# Altium PCB GameBoard_V1I1.PcbDoc (part 22 of 22)
Units mil, origin at the board's own origin, x right, y up, seen from the top; angles counter-clockwise.
Board outline 7165.35 x 2814.96 mil, 12 copper layers (L1, L2, L3, L4, L5 (PWR), L6 (PWR), L7 (PWR), L8 (PWR), L9, L10, L11, L12), stack 61.575 mil thick; 1551 components, 1072 nets, 5467 pads, 3785 vias.
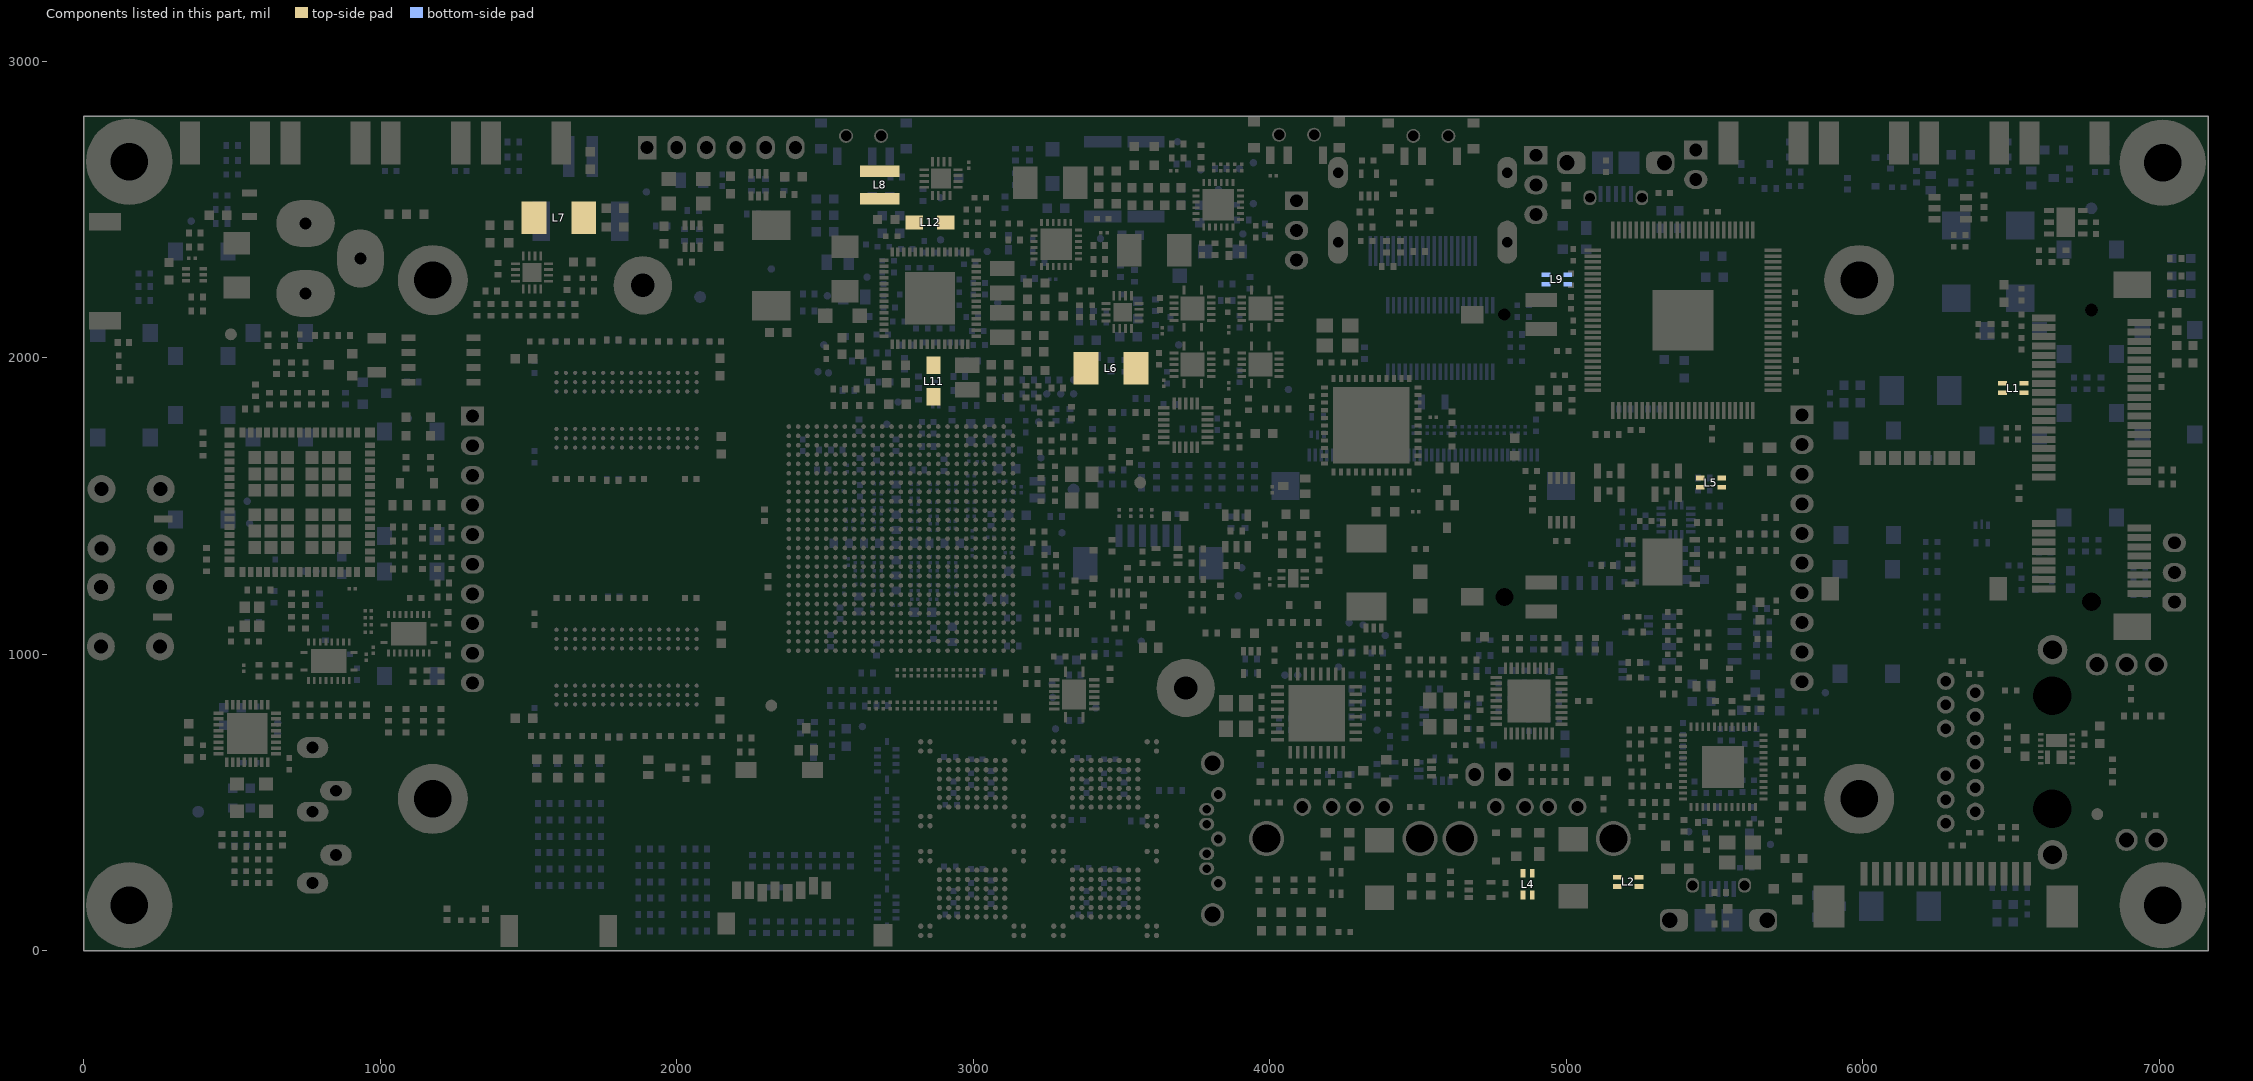
[diagram p32: the components of this part, seen from the top]

## Polygon pours and split planes (outlines as drawn) (continued)
+VIN_4V2 on L12 "L10" (solid, remove dead copper, pour order 656): 27 vertices, not listed, extent 2755.91,2202.76 2895.67,2364.17
GND on L12 "L10" (solid, remove dead copper, pour order 654): 46 vertices, not listed, extent 2687.01,2112.2 2986.22,2364.17
+3V3 on L12 "L10" (solid, remove dead copper, pour order 652): 3137.8,1322.83 3127.95,1332.68 3021.65,1332.68 3007.87,1346.46 2976.38,1346.46 2972.44,1346.46 2968.5,1350.39 2952.76,1350.39 2948.82,1346.46 2933.07,1346.46 2933.07,1255.91 3137.8,1255.91
+SATA_VPH on L12 "L10" (solid, remove dead copper, pour order 650): 2948.82,1452.76 3074.8,1452.76 3074.8,1421.34 2972.44,1421.26 2948.82,1421.26
GND on L12 "L10" (solid, remove dead copper, pour order 644): 3165.35,1610.24 3129.92,1610.24 3129.92,1637.8 3118.11,1649.61 3114.17,1653.54 3114.17,1661.42 3118.11,1665.35 3153.54,1665.35 3165.35,1653.54 3165.35,1645.67 3165.35,1610.24
+1V375_CORE on L12 "Power plane" (solid, pour order 642): 21 vertices, not listed, extent 2637.8,1507.87 2842.52,1535.43
GND on L12 "Power plane" (solid, pour order 506): 23 vertices, not listed, extent 2767.72,1476.38 2885.83,1539.37
+1V2_VDD_ARM_CAP on L12 "Power plane" (solid, pour order 502): 26 vertices, not listed, extent 2681.1,1456.69 2905.51,1486.22
GND on L12 "Power plane" (solid, pour order 500): 21 vertices, not listed, extent 2799.21,1401.57 2925.2,1456.69
GND on L12 "Power plane" (solid, pour order 498): 27 vertices, not listed, extent 2669.29,1354.33 2814.96,1440.94
GND on L12 "Power plane" (solid, pour order 496): 2708.66,1437.01 2653.54,1437.01 2618.11,1437.01 2618.11,1440.94 2618.11,1476.38 2641.73,1476.38 2673.23,1476.38 2673.23,1460.63 2681.1,1452.76 2692.91,1452.76 2700.79,1452.76 2708.66,1444.88
+1V1_VDDSOC_CAP on L12 "Power plane" (solid, pour order 494): 19 vertices, not listed, extent 2618.11,1322.83 2673.23,1429.13
+1V375_CORE on L12 "Power plane" (solid, pour order 492): 23 vertices, not listed, extent 2763.78,1322.83 2925.2,1389.76
+1V2_VDD_ARM_CAP on L12 "Power plane" (solid, pour order 490): 2905.51,1405.51 2905.51,1401.57 2901.57,1397.64 2897.64,1397.64 2874.02,1397.64 2870.08,1393.7 2870.08,1358.27 2862.2,1358.27 2838.58,1358.27 2838.58,1389.76 2830.71,1397.64 2830.71,1409.45 2834.65,1413.39 2846.46,1425.2 2885.83,1425.2
GND on L12 "Power plane" (solid, pour order 488): 31 vertices, not listed, extent 2763.78,1275.59 2964.57,1318.9
GND on L12 "Power plane" (solid, pour order 486): 17 vertices, not listed, extent 2543.31,1295.28 2712.6,1318.9
+1V375_SOC on L12 "Power plane" (solid, pour order 484): 45 vertices, not listed, extent 2618.11,1248.03 2929.13,1307.09
+VDDPU on L12 "Power plane" (solid, pour order 482): 30 vertices, not listed, extent 2724.41,1220.47 2925.2,1275.59
GND on L12 "Power plane" (solid, pour order 480): 49 vertices, not listed, extent 2724.41,972.44 2968.51,1228.35
GND on L12 "Power plane" (solid, pour order 478): 22 vertices, not listed, extent 2515.75,1358.27 2578.74,1496.06
GND on L12 "L10" (solid, remove dead copper, pour order 476): 2940.94,1389.76 2940.94,1358.27 2980.31,1358.27 2992.13,1346.46 3003.94,1346.46 3003.94,1401.57 2988.19,1401.57 2984.25,1401.57 2972.44,1389.76 2940.94,1389.76
GND on L12 "L10" (solid, remove dead copper, pour order 474): 18 vertices, not listed, extent 2596.46,1074.8 2665.35,1192.91
+1V5_DDR on L12 "L10" (solid, remove dead copper, pour order 472): 21 vertices, not listed, extent 2598.43,1181.1 2714.57,1242.13
GND on L12 "L10" (solid, remove dead copper, pour order 470): 27 vertices, not listed, extent 2555.12,1200.79 2712.6,1267.72
+1V5_DDR on L12 "L10" (solid, remove dead copper, pour order 468): 2568.9,1220.47 2588.58,1240.16 2588.58,1255.91 2588.58,1267.72 2596.46,1275.59 2608.27,1275.59 2608.27,1289.37 2580.71,1289.37 2574.8,1283.46 2562.99,1271.65 2562.99,1251.97 2562.99,1240.16 2557.09,1234.25 2557.09,1220.47
+1V5_DDR on L12 "L10" (solid, remove dead copper, pour order 466): 28 vertices, not listed, extent 2555.12,1314.96 2610.24,1559.06
GND on L12 "Power plane" (solid, pour order 464): 46 vertices, not listed, extent 2637.8,1527.56 2925.2,1622.05
GND on L12 "L10" (solid, remove dead copper, pour order 462): 22 vertices, not listed, extent 2933.07,1480.31 2988.19,1559.06
GND on L12 "L10" (solid, remove dead copper, pour order 460): 3031.5,1562.99 3031.5,1598.42 3019.68,1610.24 2996.06,1610.24 2996.06,1566.93 3011.81,1566.93 3019.68,1559.06 3027.56,1559.06
+VIN_5V on L5 (PWR) "L5 (PWR)-+VIN_5V" (solid, remove dead copper, pour order 930): 3015.75,2740.31 3015.75,78.74 7086.61,78.74 7086.61,2728.72
+3V3_ETH_AVDDH on L5 (PWR) "L5 (PWR)-+3V3_ETH_AVDDH" (solid, remove dead copper, pour order 928): 5968.64,393.7 5574.8,393.7 5507.87,460.63 5507.87,921.26 5787.4,921.26 5838.58,870.08 5989.27,721.57 5980.31,712.61 5980.31,393.7
+MPCIE_SIM_PWR on L5 (PWR) "L5 (PWR)-+MPCIE_SIM_PWR" (solid, remove dead copper, pour order 926): 6559.06,1220.47 6586.61,1248.03 6586.61,1653.54 6582.68,1649.61 6106.3,1649.61
+3V0_VSNVS on L5 (PWR) "L5 (PWR)-+3V0_VSNVS" (solid, remove dead copper, pour order 516): 33 vertices, not listed, extent 2484.25,1901.57 5653.54,2496.06
+3V3_LDO on L5 (PWR) "L5 (PWR)-+3V3_LDO" (solid, remove dead copper, pour order 924): 21 vertices, not listed, extent 2732.28,2035.43 3862.2,2425.2
+1V2_PMIC on L5 (PWR) "L5 (PWR)-+1V2_PMIC" (solid, remove dead copper, pour order 922): 34 vertices, not listed, extent 2921.26,514.76 6877.95,2138.86
+1V375_CORE on L5 (PWR) "L5 (PWR)-+1V375_CORE" (solid, remove dead copper, pour order 920): 3578.74,2035.43 3576.81,2033.5 3486,2033.5 3486,1954.94 3492.13,1948.82 3472.44,1929.13 3437.01,1901.57 3547.24,1791.34 5492.13,1791.34 6397.64,885.83 6551.18,885.83 6551.18,1208.66 5850.39,1909.45 4822.83,1909.45 4696.85,2035.43
no net on L5 (PWR) "L5 (PWR)-No Net 1" (solid, remove dead copper, pour order 918): 3444.75,1882.87
+5V_HDMI_CON on L5 (PWR) "L5 (PWR)-+5V_HDMI_CON" (solid, remove dead copper, pour order 916): 4830.71,2259.84 4775.59,2259.84 4716.54,2318.9 4362.2,2318.9 4318.9,2275.59 4318.9,2173.23 4830.71,2173.23
+PWRON_1V375_OPT on L5 (PWR) "L5 (PWR)-+PWRON_1V375_OPT" (solid, remove dead copper, pour order 914): 3488.19,1952.76 3488.19,2033.5 3407.28,2033.5 3334.65,2106.3 3027.56,2106.3 3027.56,2059.06 3062.99,2023.62 3311.02,2023.62 3425.2,1909.45 3444.88,1909.45
no net on L5 (PWR) "L5 (PWR)-No Net 2" (solid, remove dead copper, pour order 912): 2976.38,2133.86
+5V_USB_BOT on L5 (PWR) "L5 (PWR)-+5V_USB_BOT" (solid, remove dead copper, pour order 910): 22 vertices, not listed, extent 4263.78,313 5159.45,1279.53
+5V_USB_TOP on L5 (PWR) "L5 (PWR)-+5V_USB_TOP" (solid, remove dead copper, pour order 908): 4570.87,437.01 4913.39,437.01 4929.13,421.26 5067.94,421.26 5125.98,479.3 5125.98,559.06 5098.43,586.61 5098.43,712.6 5161.42,775.59 5161.42,1078.74 5027.56,1212.6 4811.02,1212.6 4570.87,972.44
no net on L5 (PWR) "L5 (PWR)-No Net 3" (solid, remove dead copper, pour order 906): 5133.86,437.01
+VCC_CAN on L5 (PWR) "L5 (PWR)-+VCC_CAN" (solid, remove dead copper, pour order 904): 5279.53,1027.56 5279.53,1208.66 5374.02,1114.17 5374.02,905.51 5346.46,877.95 5271.65,877.95 5255.91,893.7 5255.91,1003.94
+3V3_USB_HUB on L5 (PWR) "L5 (PWR)-+3V3_USB_HUB" (solid, remove dead copper, pour order 902): 5068.31,1082.68 5095.87,1055.12 5095.87,832.09 4948.82,685.04 4828.86,685.04 4677.17,787.63 4677.17,919.17 4666.73,929.61 4666.73,959.36 4688.44,981.07 4768.55,981.07 4884.04,1082.68
+3V3_MCU on L5 (PWR) "L5 (PWR)-+3V3_MCU" (solid, remove dead copper, pour order 900): 3972.44,1082.68 4138.78,1082.68 4374.02,847.44 4374.02,649.61 4208.66,484.25 3964.57,484.25 3933.07,515.75 3933.07,1039.37 3964.57,1070.87
+3V3_WIFI on L5 (PWR) "L5 (PWR)-+3V3_WIFI" (solid, remove dead copper, pour order 898): 78.42,78.74 1311.02,78.74 1311.02,2736.22 78.96,2736.22
+BAT on L5 (PWR) "L5 (PWR)-+BAT" (solid, remove dead copper, pour order 896): 3074.8,2614.17 3073.61,2612.98 3027.33,2612.98 3027.33,2503.94 2740.16,2503.94 2720.83,2483.89 2476.08,2244.09 1240.16,2244.09 1240.16,2736.22 3976.38,2736.22 3976.38,2732.28 3976.38,2583.52 3524.46,2583.52 3337.74,2583.52 3307.09,2614.17
+2V5 on L5 (PWR) "L5 (PWR)-+2V5" (solid, pour order 828): 65 vertices, not listed, extent 2568.97,912.4 5519.69,2366.14
+VDDUSB on L5 (PWR) "L5 (PWR)-+VDDUSB" (solid, pour order 740): 2992.13,1548.23 3050.2,1606.3 3086.61,1606.3 3137.8,1555.12 3137.8,1496.06 3129.92,1488.19 3129.92,1484.25 3106.3,1484.25 3090.55,1500 3077.76,1512.8 2980.31,1512.8 2980.31,1545.28
+PCIE_VPTX on L5 (PWR) "L5 (PWR)-+PCIE_VPTX" (solid, pour order 758): 3091.54,1654.53 3090.55,1653.54 3090.55,1613.14 3050.15,1613.14 2976.38,1539.37 2956.69,1539.37 2956.69,1543.31 2940.94,1559.06 2938.98,1565.78 3003.94,1630.73 3003.94,1748.03 3019.69,1763.78 3050.2,1763.78 3091.54,1722.44
+2V5_VDDHIGH_VPH on L5 (PWR) "L5 (PWR)-+2V5_VDDHIGH_VPH" (solid, pour order 742): 2988.19,1629.92 3003.94,1645.67 3003.94,1763.78 3003.3,1763.14 2975.74,1763.14 2913.39,1700.79 2866.3,1700.79 2866.3,1645.82 2866.14,1343.69 2940.94,1424.41 2953.97,1437.44 2953.97,1542.09 2940.95,1555.12 2940.94,1574.8 2988.19,1622.05
+NVCC_CSI on L5 (PWR) "L5 (PWR)-+NVCC_CSI" (solid, pour order 744): 22 vertices, not listed, extent 2468.5,1417.32 2791.34,1917.32
+1V1_VDDSOC_CAP on L5 (PWR) "L5 (PWR)-+1V1_VDDSOC_CAP" (solid, pour order 754): 18 vertices, not listed, extent 2578.74,1311.02 2972.44,1844.49
+3V3_FLASH on L5 (PWR) "L5 (PWR)-No Net" (solid, pour order 752): 3529.86,882.2 3529.86,960.63 2732.28,960.63 2724.41,952.76 2728.35,871.43 2728.35,78.74 3618.11,78.74 3618.11,793.95
+DDR_VREF on L5 (PWR) "L5 (PWR)-+DDR_VREF" (solid, pour order 750): 2588.33,790.85 2438.73,790.85 2438.72,630.41 2588.33,630.41
VBUS2 on L8 (PWR) "L8 (PWR)-VBUS2" (solid, remove dead copper, pour order 710): 19 vertices, not listed, extent 3196.85,1948.82 4035.43,2397.64
+1V1_NVCC_PLL_OUT on L8 (PWR) "L8 (PWR)-+1V1_NVCC_PLL_OUT" (solid, remove dead copper, pour order 748): 2972.68,1504.99 3084.55,1504.99 3091.61,1512.05 3086.61,1517.05 3086.61,1612 3066.24,1632.37 3059.86,1625.98 2999.19,1625.98 2972.68,1599.48 2972.68,1558
+3V0_ALWAYS on L8 (PWR) "L8 (PWR)-+3V0_ALWAYS" (solid, remove dead copper, pour order 1358): 1872.56,80.42 78.74,80.42 78.74,1755.91 454.72,1755.91 1346.46,1755.91 1350.39,1751.97 1354.33,1755.91 1354.33,2500 4059.06,2500 4059.06,76.27
+NVCC_ENET on L8 (PWR) "L8 (PWR)-+NVCC_ENET" (solid, remove dead copper, pour order 1014): 3055.12,1023.62 3476.38,1023.62 3476.38,929.55 3381.48,834.65 2842.52,834.65 2606.3,1070.87 2606.3,1218.5 2706.69,1218.5 2795.28,1129.92 2948.82,1129.92 3032.49,1046.25
+NVCC_RGMII on L8 (PWR) "L8 (PWR)-+NVCC_RGMII" (solid, remove dead copper, pour order 892): 19 vertices, not listed, extent 2929.13,1023.62 3500,1244.09
+1V375_CORE on L8 (PWR) "L8 (PWR)-+1V375_CORE" (solid, remove dead copper, pour order 890): 34 vertices, not listed, extent 2551.18,1311.02 3535.43,2122.05
+HDMI_VPH on L8 (PWR) "L8 (PWR)-+HDMI_VPH" (solid, remove dead copper, pour order 888): 2751.97,1677.17 2751.97,1566.93 2842.52,1566.93 2866.14,1590.55 2866.14,1641.73 2858.27,1649.61 2858.27,1677.17 2848.01,1687.43 2762.23,1687.43
+1V1_VDDSOC_CAP on L8 (PWR) "L8 (PWR)-+1V1_VDDSOC_CAP" (solid, remove dead copper, pour order 886): 2854.33,1783.46 2852.98,1784.82 2852.98,1829.36 2876.76,1853.14 2940.94,1853.14 3005.13,1917.32 3035.43,1917.32 3074.8,1916.34 3098.43,1916.34 3110.24,1904.53 3110.24,1841.54 3052.16,1783.46
no net on L8 (PWR) "L8 (PWR)-No Net" (solid, remove dead copper, pour order 884): 2740.16,1566.93 2842.52,1566.93 2874.02,1598.43 2874.02,1669.29 2850.39,1692.91 2783.46,1692.91 2740.16,1649.61
LED_A on L8 (PWR) "L8 (PWR)-LED_A" (solid, remove dead copper, pour order 876): 4610.24,1940.94 4616.61,1934.57 5118.11,1934.57 5118.11,1086.94 5109.91,1078.74 4653.54,1078.74 4448.82,1283.46 4448.82,1496.06 4535.43,1582.68 4535.43,1940.94
+SYS on L8 (PWR) "L8 (PWR)-+SYS" (solid, remove dead copper, pour order 882): 2972.44,2736.22 2972.44,2389.76 3681.1,2389.76 3783.46,2492.13 3783.46,2736.22
BAT1 on L8 (PWR) "L8 (PWR)-BAT1" (solid, remove dead copper, pour order 880): 18 vertices, not listed, extent 3503.86,2388.78 3778.47,2594.2
no net on L8 (PWR) "L8 (PWR)-No Net 1" (solid, remove dead copper, pour order 878): 3507.87,2417.32
+3V3_COMP_IO on L8 (PWR) "L8 (PWR)-+3V3_COMP_IO" (solid, remove dead copper, pour order 874): 5110.24,1937.84 5110.24,1078.74 5409.45,1078.74 5413.39,1074.8 5625.98,1287.4 5625.98,1751.97 5440.94,1937.01 5440.94,1940.94
+BAT on L8 (PWR) "L8 (PWR)-+BAT" (solid, remove dead copper, pour order 872): 40 vertices, not listed, extent 3763.78,82.68 7086.61,2736.22
+3V3_MCU on L8 (PWR) "L8 (PWR)-+3V3_MCU" (solid, remove dead copper, pour order 870): 31 vertices, not listed, extent 4318.9,248.03 6795.28,2586.61
+SYS on L8 (PWR) "L8 (PWR)-+SYS 1" (solid, remove dead copper, pour order 762): 26 vertices, not listed, extent 3930.29,610.24 4661.42,2364.87
+3V3_LDO on L8 (PWR) "L8 (PWR)-+3V3_LDO" (solid, remove dead copper, pour order 746): 3696.85,2047.24 3917.32,2267.72 4122.05,2062.99 4122.05,476.38 4078.74,433.07 3901.57,433.07 3700.79,633.86 3700.79,1035.74 3944.88,1279.84 3944.88,1437.01 3696.85,1685.04
no net on L8 (PWR) "L8 (PWR)-No Net 2" (solid, remove dead copper, pour order 868): 4094.49,2078.74
no net on L8 (PWR) "L8 (PWR)-No Net 3" (solid, remove dead copper, pour order 866): 4082.68,393.7
+VIN_4V2 on L8 (PWR) "L8 (PWR)-+VIN_4V2" (solid, remove dead copper, pour order 854): 70 vertices, not listed, extent 78.74,488.19 6586.61,2735.45
+5V_BARREL on L8 (PWR) "L8 (PWR)-+5V_BARREL" (solid, pour order 852): 1003.94,2015.75 1070.87,2015.75 1098.43,1988.19 1098.43,1846.46 1051.18,1799.21 1019.68,1799.21 1003.94,1814.96 1003.94,1874.02
+VIN_5V on L8 (PWR) "L8 (PWR)-+VIN_5V" (solid, pour order 848): 21 vertices, not listed, extent 2244.58,2342.52 3125.98,2736.22
+0V75_DDR_VTT on L8 (PWR) "L8 (PWR)-+0V75_DDR_VTT" (solid, pour order 832): 3102.69,2196.53 3103.01,2196.85 3204.72,2196.85 3212.6,2188.98 3212.6,2086.61 3224.41,2074.8 3259.84,2039.37 3259.84,2003.94 3232.28,1976.38 3165.35,1976.38 3019.69,2122.05 3019.68,2173.23 3019.68,2180.98 3035.23,2196.53
SYS2 on L8 (PWR) "L8 (PWR)-SYS2" (solid, pour order 830): 7.87,2759.84
+5V on L6 (PWR) "L6 (PWR)-+5V" (solid, remove dead copper, pour order 712): 4554.77,148.77 4588,182 4588,216 4521.22,282.78 4236.78,282.78 4234,280 4236.22,277.78 4236.22,228.35 4314.61,149.96
+MPCIE_SIM_VPP on L6 (PWR) "L6 (PWR)-+MPCIE_SIM_VPP" (solid, remove dead copper, pour order 768): 6555.1,1455.6 6555.12,1507.87 6539.37,1523.62 6488.19,1523.62 6448.82,1484.25 6444.88,1488.19 6098.43,1488.19 6055.12,1531.5 6055.12,1622.05 6071.11,1638.04 6398.07,1638.04 6643.08,1638.04 6643.08,1455.34
+5V_JMP on L6 (PWR) "L6 (PWR)-+5V_JMP" (solid, remove dead copper, pour order 932): 25 vertices, not listed, extent 1299.21,1882.17 4129.38,2555.12
+3V3 on L6 (PWR) "L6 (PWR)-No Net" (solid, pour order 1248): 2221.3,78.74 2240.99,59.06 2590.42,59.06 2610.1,78.74 2620.1,78.74 7086.61,78.74 7086.61,2736.22 78.74,2736.22 78.74,78.74
+VBUS on L7 (PWR) "L7 (PWR)-+VBUS" (solid, remove dead copper, pour order 822): 4151.3,2462.64 4144.45,2469.49 4061.86,2469.49 4025.44,2433.07 4020.34,2433.07 4007.88,2433.07 3925.2,2515.75 3925.2,2736.22 4846.46,2736.22 4846.46,2657.48 4866.14,2637.8 4917.32,2637.8 4940.03,2615.08 4940.03,2523.79 4211.79,2523.77
+5V_JMP on L7 (PWR) "L7 (PWR)-+5V_JMP" (solid, remove dead copper, pour order 824): 4314.98,2523.69 3992.13,2523.61 3992.13,2460.63 4137.8,2314.96 4137.8,2208.66 4976.38,2208.66 4976.38,2521.45 4875.78,2521.45 4686.53,2521.45 4684.29,2523.69
no net on L7 (PWR) "L7 (PWR)-No Net" (solid, pour order 820): 4094.49,2374.02
+USB_CHARGE on L7 (PWR) "L7 (PWR)-+USB_CHARGE" (solid, remove dead copper, pour order 818): 4948.82,2594.49 4948.82,2522.21 4948.82,2397.64 5011.81,2397.64 5113.11,2397.64 5160.35,2444.88 5161.42,2444.88 5161.42,2736.22 4857.28,2736.22 4857.28,2646.65 4896.65,2646.65
+SYS on L7 (PWR) "L7 (PWR)-+SYS" (solid, remove dead copper, pour order 816): 4106.3,2374.02 4133.26,2347.06 4133.85,2334.31 4134.15,2212.6 3976.38,2212.6 3834.65,2354.33 3576.77,2354.33 3415.62,2515.48 3415.62,2647.57 3919.36,2647.57 3925.2,2641.73 3925.2,2516.86 4068.04,2374.02
+PULLUP on L7 (PWR) "L7 (PWR)-+PULLUP" (solid, remove dead copper, pour order 814): 3685.04,2649.61 3665.35,2629.92 3419.23,2629.92 3401.57,2647.57 3401.57,2736.22 3925.2,2736.22 3925.2,2649.61
+1V2_ETH on L7 (PWR) "L7 (PWR)-+1V2_ETH" (solid, remove dead copper, pour order 812): 6685.04,988.19 6685.04,783.46 6854.33,614.17 6854.33,444.88 5807.09,444.88 5805.15,702.73 5624.02,883.86 5624.02,923.23 5622.05,925.2 5685.04,988.19
3V3_OVDD on L7 (PWR) "L7 (PWR)-3V3_OVDD" (solid, remove dead copper, pour order 810): 23 vertices, not listed, extent 4976.38,1574.8 5968.5,2736.22
3V3_DVDD on L7 (PWR) "L7 (PWR)-3V3_DVDD" (solid, remove dead copper, pour order 730): 5327.76,2488.19 5307.09,2508.86 5307.09,2531.5 5318.9,2543.31 5358.27,2543.31 5468.5,2433.07 5468.5,2377.95 5515.75,2330.71 5610.24,2330.71 5807.09,2133.86 5807.09,2110.24 5437.01,1740.16 5275.59,1740.16 5275.59,1805.12 5327.76,1857.28
+1V2_ETH_AVDDL_PLL on L7 (PWR) "L7 (PWR)-+1V2_ETH_AVDDL_PLL" (solid, remove dead copper, pour order 808): 5635.83,845 5701,845 5794,752 5794,336.58 5479.36,336.58 5472.42,343.53 5472.42,433.46 5473.22,433.46 5637.8,598.03 5635.83,600
+2V5_ETH_DVDDH on L7 (PWR) "L7 (PWR)-+2V5_ETH_DVDDH" (solid, remove dead copper, pour order 764): 23 vertices, not listed, extent 5016.68,342.52 5625.98,901.57
+1V2_ETH_DVDDL on L7 (PWR) "L7 (PWR)-+1V2_ETH_DVDDL" (solid, remove dead copper, pour order 806): 20 vertices, not listed, extent 5297.24,440.94 5637.8,795.28
+5V_USB_OTG_Q on L7 (PWR) "L7 (PWR)-+5V_USB_OTG_Q" (solid, remove dead copper, pour order 766): 4893.7,685.04 5014.6,685.04 5016.84,687.28 5018,686.12 5016.37,562.37 5236.22,342.52 5799.21,342.52 5862.2,279.53 5862.2,232.28 5830.71,200.79 4779.53,200.79 4725.39,254.92 4425.2,254.92 4425.2,622.05 4488.19,685.04
+3V3_HDR_J1 on L7 (PWR) "L7 (PWR)-+3V3_HDR_J1" (solid, remove dead copper, pour order 804): 5610.24,1188.98 5700.79,1188.98 5885.83,1374.02 5885.83,1574.8 5610.24,1574.8
LED_K on L7 (PWR) "L7 (PWR)-LED_K" (solid, remove dead copper, pour order 770): 4002.59,1308.44 4000,1305.85 4000,1283.46 4267.72,1283.46 4507.87,1523.62 4826.77,1523.62 4944.88,1641.73 4944.88,1720.47 4440.94,1720.47 4110.24,1389.76 4083.91,1389.76
+3V3_MPCIE on L7 (PWR) "L7 (PWR)-+3V3_MPCIE" (solid, remove dead copper, pour order 802): 26 vertices, not listed, extent 6181.1,1192.91 7086.61,2232.28
+1V5_MPCIE on L7 (PWR) "L7 (PWR)-+1V5_MPCIE" (solid, remove dead copper, pour order 798): 22 vertices, not listed, extent 6272,996.06 6712.6,2094.49
3V3_AVDD on L7 (PWR) "L7 (PWR)-3V3_AVDD" (solid, remove dead copper, pour order 796): 5007.87,1972.44 5259.84,1972.44 5279.53,1952.76 5318.9,1952.76 5318.9,2248.03 4972.44,2248.03 4972.44,2007.87
+3V3_HDR on L7 (PWR) "L7 (PWR)-+3V3_HDR" (solid, remove dead copper, pour order 794): 44 vertices, not listed, extent 925.2,1118.11 5661.42,2740.14
+5V_FTDI on L7 (PWR) "L7 (PWR)-+5V_FTDI" (solid, remove dead copper, pour order 792): 1924.21,2475.39 1947.83,2475.39 2046.26,2573.82 2087.6,2573.82 2490.52,2573.82 2403.69,2484 2153.29,2484 2059.06,2389.76 1893.7,2389.76 1893.7,2444.88
+5V on L7 (PWR) "L7 (PWR)-+5V" (solid, remove dead copper, pour order 790): 90 vertices, not listed, extent 2515.75,255.91 7110.24,2736.22
+SATA_VP on L7 (PWR) "L7 (PWR)-+SATA_VP" (solid, remove dead copper, pour order 774): 19 vertices, not listed, extent 2802,1395.67 3023.62,1866.14
+PCIE_VP on L7 (PWR) "L7 (PWR)-+PCIE_VP" (solid, remove dead copper, pour order 788): 2948.82,1576.5 2948.82,1611.43 3077.55,1740.16 3073.8,1743.9 3073.8,1792.34 3001.97,1864.17 2893.7,1755.91 2893.7,1598.43 2917.32,1574.8 2925.2,1574.8
+PCIE_VPH on L7 (PWR) "L7 (PWR)-+PCIE_VPH" (solid, remove dead copper, pour order 784): 2948.82,1598.43 2948.82,1574.8 2956.69,1566.93 3137.8,1566.93 3137.8,1582.68 3137.8,1716.54 3102.36,1751.97
+1V375_SOC on L7 (PWR) "L7 (PWR)-+1V375_SOC" (solid, remove dead copper, pour order 776): 22 vertices, not listed, extent 2627.1,960.63 3570.87,2102
+1V2_VDD_ARM_CAP on L7 (PWR) "L7 (PWR)-+1V2_VDD_ARM_CAP" (solid, remove dead copper, pour order 782): 2731.3,1518.7 2873.03,1518.7 2883.97,1507.76 2921.26,1470.47 2921.26,1395.67 2700.79,1395.67 2700.79,1488.19
+1V8_AUDIO on L7 (PWR) "L7 (PWR)-+1V8_AUDIO" (solid, pour order 780): 38 vertices, not listed, extent 78.74,480.32 3178,2622.05
+1V8_WIFI on L7 (PWR) "L7 (PWR)-+1V8_WIFI" (solid, pour order 778): 929.13,2740.14 78.74,2740.14 78.74,885.83 929.13,885.83 1216.54,1173.23 1216.54,1350.39 929.13,1625.98 929.13,2181.1
+1V5_DDR on L7 (PWR) "L7 (PWR)-+1V5_DDR" (solid, pour order 826): 53 vertices, not listed, extent 78.74,78.74 7086.61,2536.42
GND on L2 "L2-GND" (solid, pour order 732): 7.87,2807.09 7157.48,2807.09 7157.48,7.87 7.87,7.87
GND on L11 "L11-GND" (solid, remove dead copper, pour order 736): 5.14,2806.27 7154.74,2806.27 7154.74,7.05 5.14,7.05
GND on L4 (split plane): 7161.34,4.01 4.01,4.01 4.01,2810.95 7161.34,2810.95
GND on L9 (split plane): 7161.34,4.01 4.01,4.01 4.01,2810.95 7161.34,2810.95

## Keep-outs
Keep-Out Layer:
  region: 1822.83,-43.31 1822.83,165.35 1391.89,165.35 1391.89,-43.31
  rectangle: -7.87,2073 173.23,2503.94

## Other copper
L1:
  text "(c) 2018" at 1086.61,326.77 h39.37
  text "Matthew Beach" at 988.19,259.84 h39.37
L2:
  pour cut-out: 1374.02,0 1374.02,173.23 1818.9,173.23 1818.9,0

## Silkscreen, mask and mechanical layers (free items; w line width, h text height)
Top Overlay:
  text "+USB" at 4834.65,2740.16 h31.5
  text "ON" at 4358.27,2732.28 h31.5 r90
  text "ON" at 2787.4,2720.47 h31.5 r90
  text "LCD" at 4299.21,2712.6 h31.5 r90
  text "OFF" at 4759.84,2712.6 h31.5 r90
  text "OFF" at 2515.75,2704.72 h31.5 r90
  text "CON" at 3909.45,2704.72 h31.5 r90
  text "SYS" at 2649.61,2700.79 h31.5 r90
  text "HDMI" at 4066.93,2602.36 h31.5
  text "VOLUME" at 1200.79,2578.74 h39.37
  text "RESET" at 5570.87,2578.74 h39.37
  text "HOME" at 5925.2,2578.74 h39.37
  text "LCD  / SCREEN" at 4590.55,2519.68 h31.5
  text "+BRL" at 4846.46,2397.64 h31.5
  text "MCU" at 5078.74,1669.29 h15.75
  text "PCIe" at 5145.67,1669.29 h15.75
  text "HUB" at 5220.47,1669.29 h15.75
  text "LCD" at 5295.28,1669.29 h15.75
  text "HDR" at 5362.2,1669.29 h15.75
Bottom Overlay:
  lines w10: 1472.44,23.62 1629.92,23.62 1629.92,177.17 1472.44,177.17 1472.44,23.62 ; 1645.67,23.62 1645.67,177.17 1803.15,177.17 1803.15,23.62 1645.67,23.62 ; 1811.02,409.45 1811.02,562.99 1968.5,562.99 1968.5,409.45 1811.02,409.45 ; 2003.94,409.45 2161.42,409.45 2161.42,562.99 2003.94,562.99 2003.94,409.45
  text "+BAT" at 3822.83,2736.22 h31.5
  text "+SYS" at 3881.89,2685.04 h31.5
  text "+3V3" at 1988.19,2496.06 h31.5
  text "+3V3_L" at 2984.25,2448.82 h31.5
  text "+3V3" at 3078.74,2393.7 h31.5
  text "+4V2" at 2287.4,2188.98 h31.5
  text "+1V2" at 3240.16,2169.29 h31.5
  text "+0V75" at 3259.84,2098.43 h31.5
  text "+5V" at 2464.57,2027.56 h31.5
  text "+1V375" at 3228.35,1968.5 h31.5
  text "+5V_B" at 1240.16,1842.52 h31.5
  text "+1V375" at 2724.41,1822.83 h31.5
  text "JTAG" at 3342.52,1712.6 h31.5
  text "ON OFF" at 3275.59,1393.7 h31.5
  text "+3V0" at 3980.31,1334.65 h31.5
  text "+2V5" at 3649.61,976.38 h31.5
  text "+1V2" at 6019.69,850.39 h31.5
  text "+1V5" at 2767.72,740.16 h31.5
  text "BOOT" at 1858.27,543.31 h31.5 r90
  text "BOOT" at 2141.73,543.31 h31.5 r90
  text "WIFI" at 1952.76,535.43 h31.5 r90
  text "WIFI" at 2051.18,535.43 h31.5 r90
  text "SD1" at 1905.51,527.56 h31.5 r90
  text "SD2" at 2094.49,527.56 h31.5 r90
  text "BOOT CONFIG" at 2578.74,464.57 h31.5
  text "14" at 2271.65,405.51 h31.5 r90
  text "10" at 2318.9,405.51 h31.5 r90
  text "13" at 2413.39,405.51 h31.5 r90
  text "15" at 2507.87,405.51 h31.5 r90
  text "12" at 2602.36,405.51 h31.5 r90
  text "7" at 2460.63,381.89 h31.5 r90
  text "9" at 2366.14,377.95 h31.5 r90
  text "8" at 2555.12,377.95 h31.5 r90
  text "11" at 2271.65,181.1 h31.5 r90
  text "0" at 2322.83,161.42 h31.5 r90
  text "2" at 2417.32,161.42 h31.5 r90
  text "5" at 2464.57,161.42 h31.5 r90
  text "3" at 2511.81,161.42 h31.5 r90
  text "4" at 2559.06,161.42 h31.5 r90
  text "6" at 2606.3,161.42 h31.5 r90
  text "BOOT" at 1740.16,157.48 h31.5 r90
  text "WIFI" at 1566.93,153.54 h31.5 r90
  text "1" at 2366.14,153.54 h31.5 r90
  text "SD2" at 1519.69,145.67 h31.5 r90
  text "SD2" at 1692.91,145.67 h31.5 r90
  text "SD1" at 1614.17,137.8 h31.5 r90
  text "SD1" at 1787.4,137.8 h31.5 r90
Top Solder:
  text "(c) 2018" at 1086.61,326.77 h39.37
  text "Matthew Beach" at 988.19,259.84 h39.37
Manufacturing Drawing:
  circle w39.37: c5988.19,2261.81 r62.99
  circle w39.37: c5988.19,511.81 r62.99
  circle w39.37: c1177.17,2261.81 r62.99
  circle w39.37: c1177.17,511.81 r62.99
  circle w23.62: c3716.54,885.83 r39.37
  circle w23.62: c1885.83,2244.09 r39.37
  circle w39.37: c7011.81,2657.48 r62.99
  circle w39.37: c7011.81,153.54 r62.99
  circle w39.37: c153.54,153.54 r62.99
  circle w39.37: c153.54,2657.48 r62.99
  lines w23.62: 0,0 7165.35,0 7165.35,2814.96 0,2814.96 0,0
  text "[mm]" at -543.31,-377.95 h118.11
  text "Mechanical Drawing" at 4503.94,-1114.17 h137.8
  text ".VersionRevision" at 6366.14,-1444.88 h137.8
  text "of GameBoard" at 4574.8,-1448.82 h137.8
Manufacturing Notes:
  lines w7.87: 7721.42,2274.8 11417.32,2283.46 ; 7721.42,2427.95 11417.32,2440.94 ; 11337.3,78.75 7710.63,102.36 cw(c7710.63,151.57) 7661.42,151.57 7661.42,2604.33 cw(c7710.63,2604.33) 7710.63,2653.54 11377.95,2653.54 ; 11341.54,78.74 11361.09,78.61 11361.22,78.74 ; 11362.2,78.74 ccw(c11362.2,127.95) 11411.42,127.95 ; 11362.2,2653.54 cw(c11362.2,2604.33) 11411.42,2604.33 11411.42,128.94
  lines w10: -11.81,-1862.2 3137.8,-1862.2 ; -11.81,-1859.25 -11.81,-1465.55 ; -11.81,-1074.8 3137.8,-1074.8 ; 1562.99,-1468.5 1562.99,-1074.8 ; 2448.82,-1074.8 2448.82,-779.53 ; 3137.8,-1859.25 3137.8,-1465.55 ; -11.81,-1468.5 3137.8,-1468.5 3137.8,-779.53 -11.81,-779.53 -11.81,-1468.5
  text "Board info" at 1947.01,5761.97 h60
  text "Minimum Track: 80um" at 1947.01,5663.54 h60
  text "Minimum Gap: 75um" at 1947.01,5565.12 h60
  text "Minimum Through Hole VIA: 0.45mm (pad) / 0.2mm (drill). Drilling: L1-L12" at 1947.01,5466.69 h60
  text "uVIA: 0.27mm (pad) / 0.1mm (laser drilled hole). Drilling: L1-L2, L11-L12" at 1947.01,5368.27 h60
  text "uVIA: 0.30mm (pad) / 0.1mm (laser drilled hole). Drilling: L2-L3, L10-L11" at 1952.76,5248.03 h60
  text "Files" at 82.68,5110.24 h60
  text "*.GTO - Top Overlay" at 82.68,5011.81 h60
  text "1. REMOVE ALL NON-FUNCTIONAL INNER LAYER PADS." at 1950.95,5002.13 h60
  text "*.GTP - Top Paste" at 82.68,4913.39 h60
  text "*.GTS - Top Solder" at 82.68,4814.96 h60
  text "2. THIS BOARD CONTAINS IMPEDANCE CONTROLLED TRACKS, TRACK AND GAP SIZES ARE AS FOLLOWS:" at 1950.95,4805.28 h60
  text "*.GTL - L1 (Positive)" at 82.68,4716.54 h60
  text "*.G1 - L2 (Positive)" at 82.68,4618.11 h60
  text "TYPE;" at 2147.8,4608.43 h60
  text "Impedance;" at 2639.92,4608.43 h60
  text "Layer (Reference);" at 3525.75,4608.43 h60
  text "Width (um);" at 4903.7,4608.43 h60
  text "Gap (um);" at 5691.1,4608.43 h60
  text "*.G2 - L3 (Positive)" at 82.68,4519.69 h60
  text "DIFF;" at 2159.61,4454.88 h60
  text "90ohm;" at 2651.73,4454.88 h60
  text "L1(L2), L12(L11);" at 3537.56,4454.88 h60
  text "95" at 4915.51,4454.88 h60
  text "120" at 5702.91,4454.88 h60
  text "*.GP1 - L4 (Negative)" at 82.68,4421.26 h60
  text "DIFF;" at 2159.61,4356.46 h60
  text "90ohm;" at 2651.73,4356.46 h60
  text "L3(L2,L4), L10(L9,L11)" at 3537.56,4356.46 h60
  text "90" at 4915.51,4356.46 h60
  text "110" at 5702.91,4356.46 h60
  text "*.G3 - L5 (Positive)" at 82.68,4322.83 h60
  text "*.G4 - L6 (Positive)" at 82.68,4224.41 h60
  text "DIFF;" at 2159.61,4159.61 h60
  text "100ohm;" at 2651.73,4159.61 h60
  text "L1(L2), L12(L11);" at 3537.56,4159.61 h60
  text "85" at 4915.51,4159.61 h60
  text "165" at 5702.91,4159.61 h60
  text "*.G5 - L7 (Positive)" at 82.68,4125.98 h60
  text "DIFF;" at 2159.61,4061.18 h60
  text "100ohm;" at 2651.73,4061.18 h60
  text "L3(L2,L4), L10(L9,L11)" at 3537.56,4061.18 h60
  text "85" at 4915.51,4061.18 h60
  text "195" at 5702.91,4061.18 h60
  text "*.G6 - L8 (Positive)" at 82.68,4027.56 h60
  text "*.GP2 - L9 (Negative)" at 82.68,3929.13 h60
  text "SE;" at 2159.61,3864.33 h60
  text "55ohm;" at 2651.73,3864.33 h60
  text "L1(L2), L12(L11);" at 3537.56,3864.33 h60
  text "80" at 4915.51,3864.33 h60
  text "*.G7 - L10 (Positive)" at 82.68,3830.71 h60
  text "SE;" at 2159.61,3765.91 h60
  text "55ohm;" at 2651.73,3765.91 h60
  text "L3(L2,L4), L10(L9,L11)" at 3537.56,3765.91 h60
  text "80" at 4915.51,3765.91 h60
  text "*.G8 - L11 (Positive)" at 82.68,3732.28 h60
  text "*.GBL - L12 (Positive)" at 82.68,3633.86 h60
  text "*.GBS - Bottom Solder" at 82.68,3535.43 h60
  text "3. FINISHED PANEL THICKNESS IS NOT CRITICAL: TO BE APPROXIMATELY 1.6mm" at 1950.95,3525.75 h60
  text "*.GBP - Bottom Paste" at 82.68,3437.01 h60
  text "*.GBO - Bottom Overlay" at 82.68,3338.58 h60
  text "4. BOARD FINISH: IMMERSION Au/ELECTROLESS Ni; 0.05-0.12 um GOLD; 3-6um NICKEL" at 1950.95,3328.9 h60
  text "*.GM2 - Mechanical Drawing" at 82.68,3240.16 h60
  text "*.GM3 - Manufacturing Notes" at 82.68,3141.73 h60
  text "5. SOLDER RESIST: APPLY TO BOTH SIDES COLOR - DARK BLUE" at 1950.95,3132.05 h60
  text "*.GM28 - Board Outline" at 82.68,3027.56 h60
  text "6. COMPONENT IDENT: COLOR TO BE WHITE" at 1950.95,2935.2 h60
  text "Layer Stack Up Detail" at 7721.42,2475.39 h86.61
  text "Layer" at 7721.42,2370.87 h35.43
  text "Gerber" at 8717.55,2370.87 h35.43
  text "Copper" at 9241.79,2370.87 h35.43
  text "Processed" at 9823.88,2370.87 h35.43
  text "Dialectric" at 10353.41,2367.91 h35.43
  text "Dialectric" at 10983.33,2367.91 h35.43
  text "Name" at 7721.42,2300 h35.43
  text "Document" at 8717.55,2300 h35.43
  text "Thickness" at 9241.79,2300 h35.43
  text "Thickness" at 9823.88,2300 h35.43
  text "Material" at 10353.41,2297.05 h35.43
  text "Er" at 10983.33,2297.05 h35.43
  text "Top Solder Mask" at 7721.42,2200.25 h49.21
  text "(.GTS)" at 8717.55,2200.25 h49.21
  text "L1" at 7721.42,2059.03 h49.21
  text "(.GTL)" at 8717.55,2059.03 h49.21
  text "0.03mm" at 9241.79,2059.03 h49.21
  text "0.074mm" at 9823.88,1988.41 h49.21
  text "VT47-1080" at 10375.07,1988.41 h49.21
  text "3.95" at 11004.99,1988.41 h49.21
  text "L2" at 7721.42,1917.8 h49.21
  text "(.G1)" at 8717.55,1917.8 h49.21
  text "0.03mm" at 9241.79,1917.8 h49.21
  text "0.106mm" at 9823.88,1847.19 h49.21
  text "VT47-106" at 10375.07,1847.19 h49.21
  text "3.8" at 11004.99,1847.19 h49.21
  text "L3" at 7721.42,1776.58 h49.21
  text "(.G2)" at 8717.55,1776.58 h49.21
  text "0.017mm" at 9241.79,1776.58 h49.21
  text "0.203mm" at 9823.88,1705.96 h49.21
  text "VT47" at 10375.07,1705.96 h49.21
  text "4.25" at 11004.99,1705.96 h49.21
  text "L4" at 7721.42,1635.35 h49.21
  text "(.GP1)" at 8717.55,1635.35 h49.21
  text "0.017mm" at 9241.79,1635.35 h49.21
  text "0.148mm" at 9823.88,1564.74 h49.21
  text "VT47-1080" at 10375.07,1564.74 h49.21
  text "3.95" at 11004.99,1564.74 h49.21
  text "L5" at 7721.42,1494.12 h49.21
  text "(.G3)" at 8717.55,1494.12 h49.21
  text "0.017mm" at 9241.79,1494.12 h49.21
  text "0.102mm" at 9823.88,1423.51 h49.21
  text "VT47" at 10375.07,1423.51 h49.21
  text "4.12" at 11004.99,1423.51 h49.21
  text "L6" at 7721.42,1352.9 h49.21
  text "(.G4)" at 8717.55,1352.9 h49.21
  text "0.017mm" at 9241.79,1352.9 h49.21
  text "0.148mm" at 9823.88,1282.28 h49.21
  text "VT47-1080" at 10375.07,1282.28 h49.21
  text "3.95" at 11004.99,1282.28 h49.21
  text "L7" at 7721.42,1211.67 h49.21
  text "(.G5)" at 8717.55,1211.67 h49.21
  text "0.017mm" at 9241.79,1211.67 h49.21
  text "0.102mm" at 9823.88,1141.06 h49.21
  text "VT47" at 10375.07,1141.06 h49.21
  text "4.12" at 11004.99,1141.06 h49.21
  text "L8" at 7721.42,1070.45 h49.21
  text "(.G6)" at 8717.55,1070.45 h49.21
  text "0.017mm" at 9241.79,1070.45 h49.21
  text "0.148mm" at 9823.88,999.83 h49.21
  text "VT47-1080" at 10375.07,999.83 h49.21
  text "3.95" at 11004.99,999.83 h49.21
  text "L9" at 7721.42,929.22 h49.21
  text "(.GP2)" at 8717.55,929.22 h49.21
  text "0.017mm" at 9241.79,929.22 h49.21
  text "0.203mm" at 9823.88,858.61 h49.21
  text "VT47" at 10375.07,858.61 h49.21
  text "4.25" at 11004.99,858.61 h49.21
  text "L10" at 7721.42,787.99 h49.21
  text "(.G7)" at 8717.55,787.99 h49.21
  text "0.017mm" at 9241.79,787.99 h49.21
  text "0.106mm" at 9823.88,717.38 h49.21
  text "VT47-106" at 10375.07,717.38 h49.21
  text "3.8" at 11004.99,717.38 h49.21
  text "L11" at 7721.42,646.77 h49.21
  text "(.G8)" at 8717.55,646.77 h49.21
  text "0.03mm" at 9241.79,646.77 h49.21
  text "0.074mm" at 9823.88,576.15 h49.21
  text "VT47-1080" at 10375.07,576.15 h49.21
  text "3.95" at 11004.99,576.15 h49.21
  text "L12" at 7721.42,505.54 h49.21
  text "(.GBL)" at 8717.55,505.54 h49.21
  text "0.03mm" at 9241.79,505.54 h49.21
  text "Bottom Solder Mask" at 7721.42,364.32 h49.21
  text "(.GBS)" at 8717.55,364.32 h49.21
  text "iMX6 GameBoard" at 185.04,-976.38 h118.11
  text ".VersionRevision" at 2547.24,-976.38 h118.11
  text "Copyright / Matthew Beach 2018" at -3.94,-1381.89 h60
  text "Contact:" at 185.04,-1665.35 h60
  text "beachm720@gmail.com" at 185.04,-1763.78 h60
Board Outline:
  the board outline again, w39.37
Top ASM:
  text "Assembly TOP of GameBoard" at 2409.45,3173.23 h60
  text ".VersionRevision" at 3968.5,3173.23 h60
  text ".VariantName" at 2992.13,3007.87 h60
Bottom ASM:
  text "Assembly BOTTOM of GameBoard" at 4393.7,3173.23 h60
  text ".VersionRevision" at 2645.67,3169.29 h60
  text ".VariantName" at 3787.4,3011.81 h60

## Dimensions
0,0 to 5988.19,448.82 on Manufacturing Drawing
0,0 to 3716.54,846.46 on Manufacturing Drawing
0,0 to 1177.17,448.82 on Manufacturing Drawing
0,0 to 7011.81,90.55 on Manufacturing Drawing
0,0 to 1885.83,2204.72 on Manufacturing Drawing
6051.18,2261.81 to 6051.18,511.81 on Manufacturing Drawing
0,0 to 7165.35,0 on Manufacturing Drawing
153.54,2657.48 to 475.27,2979.21 on Manufacturing Drawing
1114.17,2261.81 to 0,0 on Manufacturing Drawing
3677.17,885.83 to 0,0 on Manufacturing Drawing
90.55,2657.48 to 0,0 on Manufacturing Drawing
1177.17,2261.81 to 1884.11,2968.76 on Manufacturing Drawing
3677.17,885.83 to 1846.46,2244.09 on Manufacturing Drawing
1114.17,511.81 to 0,0 on Manufacturing Drawing
90.55,153.54 to 0,0 on Manufacturing Drawing
1885.83,2244.09 to 2604.33,2962.6 on Manufacturing Drawing
7074.8,2657.48 to 7074.8,153.54 on Manufacturing Drawing
0,0 to 153.54,90.55 on Manufacturing Drawing
0,0 to 0,2814.96 on Manufacturing Drawing

## Text inside footprints (layer, text, board x,y; h text height)
J1: 3D Bodies "NOTE: Bottom plastic may" at 4740.16,3019.68 h19.68; 3D Bodies "go over the board edge" at 4740.16,2984.25 h19.68
J2: Top Overlay "1" at 7070.87,1110.24 h40 r90
J11: Top Overlay "KEEP OUT" at 2502.95,471.46 h39.37 r180
J16: Bottom Overlay "1" at 1900.79,2590.55 h40
J19: Top Overlay "1" at 5953,292 h40
Q11: Top Overlay "1" at 1145.67,2074.8 h40 r270
U19: Bottom Overlay "1" at 5153.54,1070.87 h40
U26: Bottom Overlay "1" at 5397.64,968.5 h40 r270